# Altium PCB PCB-SM01.PcbDoc (part 3 of 4)
Units mm, origin at the board's own origin, x right, y up, seen from the top; angles counter-clockwise.
Board outline 208.23 x 194.9 mm, 2 copper layers (Top Layer, Bottom Layer); 394 components, 287 nets, 1171 pads, 418 vias.
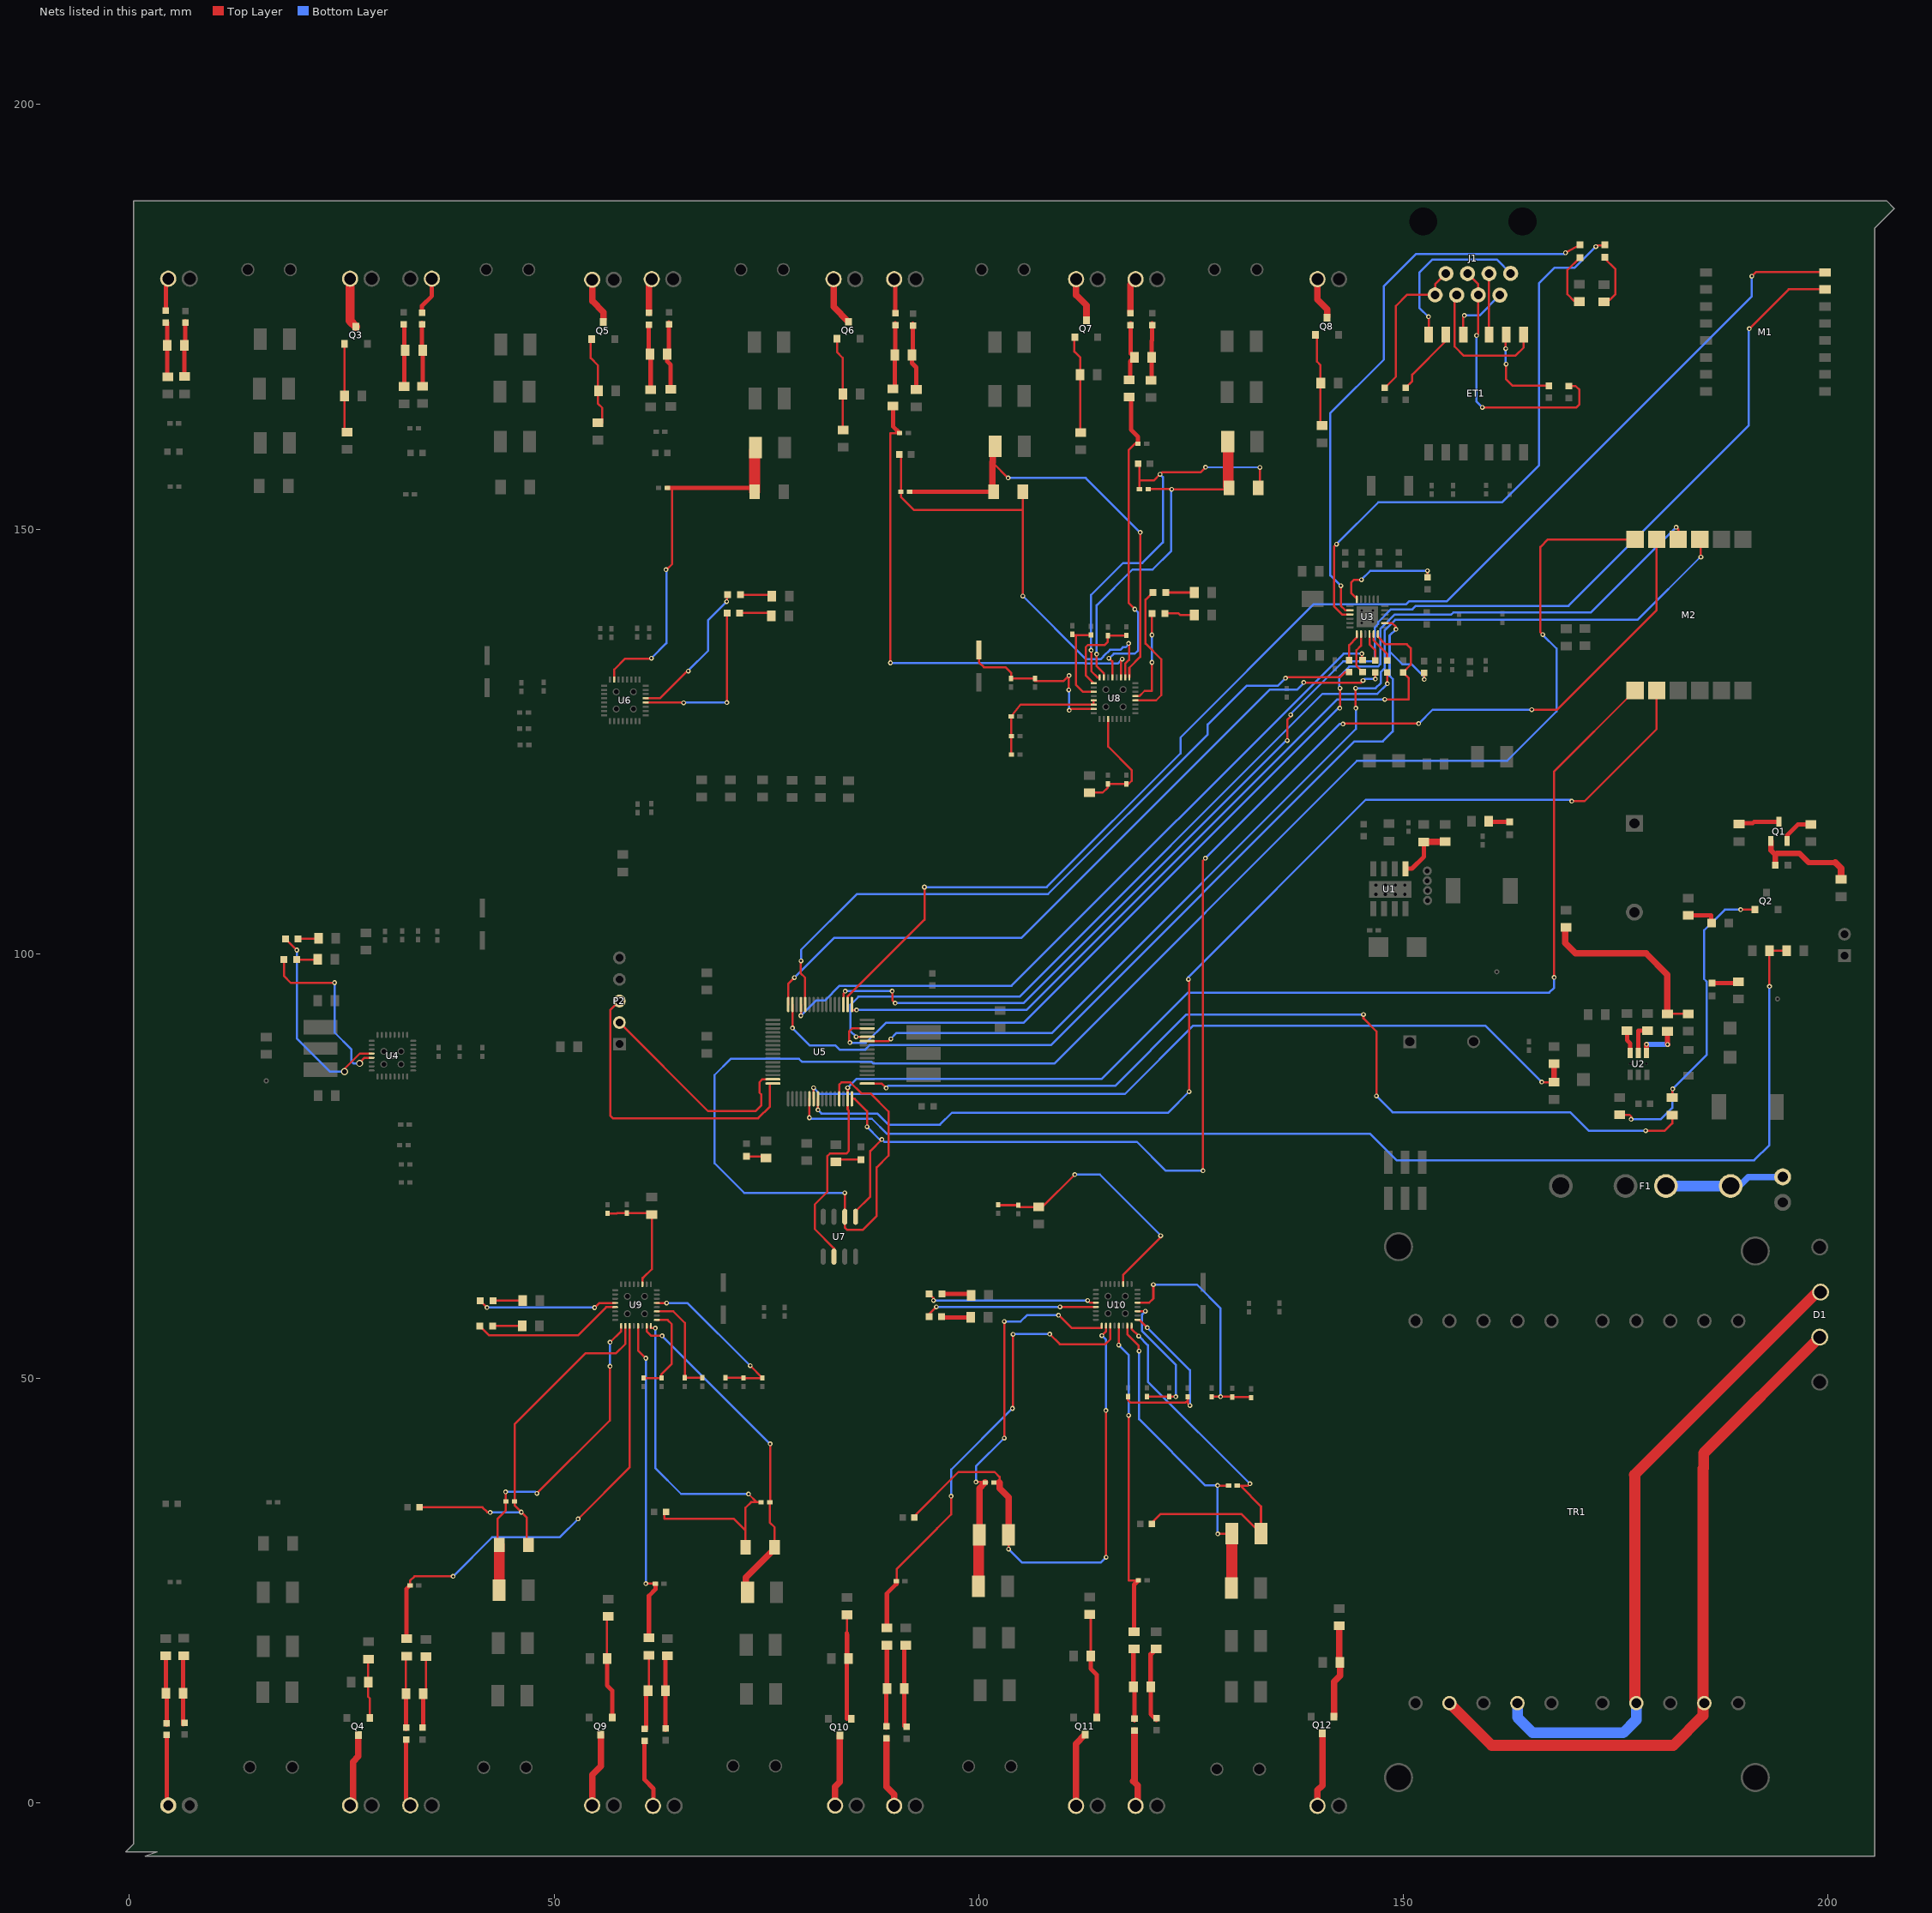
[diagram p3: the nets of this part, all layers, seen from the top]

## Via types
v1: diameter 0.559, hole 0.305, Top Layer to Bottom Layer, 383 vias
v2: diameter 1.118, hole 0.559, Top Layer to Bottom Layer, 31 vias
v3: diameter 0.813, hole 0.559, Top Layer to Bottom Layer, 3 vias
v4: diameter 0.965, hole 0.559, Top Layer to Bottom Layer, 1 vias

## Nets (pads, with @x,y where several pads share a name; then routed paths per layer and width w, separated by ;. In a path a pad name is that pad's centre, name@x,y a point inside that pad or via, vN(x,y) a via of type N, cw(c..) or ccw(c..) an arc to the next point about the centre after c; other vN are vias at no path point) (continued)
NetC75_2: C75.2 R80.1 R84.1 U6.15 | length 42.5
  Top Layer w0.254: U6.15@57.071,132.272 57.071,133.467 58.353,134.749 61.401,134.749 v1(61.438,134.786) ; v1@63.216,145.207 63.881,145.872 63.881,154.852
  Top Layer w0.508: C75.2@63.317,154.852 63.881,154.852 73.147,154.852 R84.1@73.604,154.395
  Top Layer w1.27: R84.1@73.604,154.42 R80.1@73.604,159.272
  Bottom Layer w0.254: v1(61.438,134.786) 63.216,136.564 63.216,145.166 v1(63.17,145.212)
NetC76_1: C76.1 C77.2 C80.1 U8.23 | length 20.8
  Top Layer w0.254: C77.2@100.02,135.767 100.02,134.315 100.605,133.731 103.149,133.731 103.805,133.075 C76.1@103.805,132.424 C80.1@106.599,132.424 106.599,132.119 109.985,132.119 v1@110.587,132.721 ; v1(110.587,131.052) v1@110.587,132.721 ; v1(110.617,132.751) v1@110.587,132.721 ; v1(110.638,128.665) 110.81,128.837 U8.23@113.522,128.837
  Bottom Layer w0.254: v1(110.587,131.052) 110.638,131.002 v1(110.638,128.665)
NetC76_2: C79.1 C82.1 C85.1 U8.21 U8.22 | length 16.8
  Top Layer w0.254: C82.1@103.83,123.432 103.83,124.236 ; C85.1@103.83,125.642 103.83,124.236 ; U8.21@113.522,129.837 U8.22@113.522,129.337 104.902,129.337 C79.1@103.805,127.928 103.805,124.262 103.83,124.236
NetC78_1: C78.1 C81.1 C83.1 U8.27 | length 14.2
  Top Layer w0.254: C83.1@113.025,118.962 114.563,118.962 115.184,119.583 C81.1@115.184,120.003 C78.1@117.369,120.003 117.641,120.003 117.983,120.345 117.983,121.629 115.222,124.391 U8.27@115.222,127.637
NetC84_2: C84.2 R85.1 U8.11 | length 61.4
  Top Layer w0.254: v1(89.581,134.253) 89.581,161.304 C84.2@90.673,161.304 ; U8.11@116.722,132.537 116.722,134.444 v1@116.911,134.634
  Top Layer w0.508: R85.1@89.886,164.479 89.886,162.091 C84.2@90.673,161.304
  Bottom Layer w0.254: v1(89.581,134.253) 112.38,134.253 112.467,134.166 116.353,134.166 v1(116.879,134.691)
NetC86_1: C86.1 L18.2 R93.2 U8.10 | length 52.9
  Top Layer w0.254: L18.2@90.826,158.789 90.826,156.82 90.851,156.794 90.851,154.852 90.856,154.852 90.856,153.746 92.366,152.236 105.177,152.236 ; v1(105.177,142.118) 105.177,152.236 ; R93.2@105.177,154.395 105.177,152.236 ; U8.10@117.222,132.537 117.222,134.157 117.673,134.608 117.673,136.488 v1(117.623,136.539)
  Bottom Layer w0.254: v1(105.177,142.118) 112.634,134.66 114.347,134.66 114.691,135.004 114.691,135.043 115.435,135.788 116.668,135.788 116.962,136.082 117.292,136.082 117.623,136.412 v1(117.623,136.539)
NetC86_2: C86.2 R92.1 R93.1 U8.9 | length 53.8
  Top Layer w0.254: R93.1@101.595,154.556 R93.1@101.747,154.403 R93.1@101.748,154.395 ; 101.595,157.886 101.646,157.836 v1(103.454,156.027) ; U8.9@117.722,132.537 117.722,133.673 118.999,134.95 v1(118.999,149.606)
  Top Layer w0.508: C86.2@91.867,154.395 R93.1@101.748,154.395
  Top Layer w0.762: R93.1@101.595,154.556 101.595,157.886 ; 101.646,157.836 R92.1@101.646,159.78
  Bottom Layer w0.254: v1(103.454,156.027) 112.578,156.027 v1(118.999,149.606)
NetC87_2: C87.2 R95.1 U8.13 | length 37.6
  Top Layer w0.254: v1(115.311,134.786) 115.353,134.786 115.722,134.418 U8.13@115.722,132.537 ; v1(118.364,140.564) 117.653,141.275 117.653,159.323 118.389,160.059 C87.2@118.74,160.059
  Top Layer w0.508: R95.1@117.907,165.557 117.907,161.705 118.74,160.872 C87.2@118.74,160.059
  Bottom Layer w0.254: v1(115.311,134.786) 115.353,134.786 115.886,135.32 118.352,135.32 118.766,135.733 118.766,140.162 v1(118.364,140.564)
NetC88_1: C88.1 C90.1 U8.19 | length 10.5
  Top Layer w0.254: C88.1@111.019,137.606 111.095,137.529 111.425,137.529 ; C90.1@113.203,137.529 111.425,137.529 ; U8.19@113.522,130.837 112.274,130.837 111.425,131.686 111.425,137.529
NetC89_1: C89.1 C91.1 U8.17 | length 10.4
  Top Layer w0.254: U8.17@113.522,131.837 112.585,132.774 112.585,136.093 112.85,136.358 114.833,136.358 115.184,136.709 C89.1@115.184,137.453 117.343,137.453 C91.1@117.369,137.479
NetC92_1: C92.1 L21.2 R103.2 U8.16 | length 49.7
  Top Layer w0.254: v1(113.206,135.738) 113.248,135.695 113.248,133.268 113.979,132.537 U8.16@114.222,132.537 ; C92.1@118.918,154.7 118.918,155.716 ; L21.2@118.943,157.697 118.918,157.672 118.918,155.716 ; v1(126.69,157.291) 126.081,156.681 121.56,156.681 v1(121.331,156.452) 120.594,155.716 118.918,155.716 ; R103.2@133.091,154.801 v1(133.091,157.256)
  Bottom Layer w0.254: v1(113.206,135.738) 113.206,142.232 116.988,146.014 119.248,146.014 121.661,148.427 121.661,156.122 v1(121.331,156.452) ; v1(126.69,157.291) 126.767,157.291 126.783,157.307 v1(133.091,157.256)
NetC92_2: C92.2 R101.1 R103.1 U8.15 | length 42
  Top Layer w0.254: v1(113.868,135.28) 113.868,133.867 114.722,133.014 U8.15@114.722,132.537 ; C92.2@119.934,154.7 v1@122.677,154.7 ; v1(122.703,154.674) 128.951,154.674 R103.1@129.357,155.081
  Top Layer w1.27: R103.1@129.357,155.081 R101.1@129.357,159.932
  Bottom Layer w0.254: v1(113.868,135.28) 113.868,141.021 118.102,145.254 120.471,145.254 122.648,147.432 122.648,154.62 v1(122.703,154.674)
NetC93_1: C93.1 C98.1 C101.1 U9.27 | length 14
  Top Layer w0.254: C98.1@56.282,69.432 57.379,69.432 57.404,69.457 C93.1@58.542,69.457 61.336,69.457 C101.1@61.489,69.305 61.489,62.853 60.498,61.863 60.384,61.863 U9.27@60.384,61.087
NetC94_1: C94.1 C100.2 C102.1 U9.21 | length 20.4
  Top Layer w0.254: U9.21@62.084,58.887 63.236,58.887 v1(63.246,58.877) ; C102.1@70.175,50.077 72.284,50.077 C100.2@72.309,50.052 C94.1@74.519,50.052 v1(73.076,51.495)
  Bottom Layer w0.254: v1(63.246,58.877) 65.693,58.877 v1(73.076,51.495)
NetC96_2: C96.2 R105.1 U9.11 | length 55.1
  Top Layer w0.254: C96.2@33.041,25.642 33.02,25.642 33.02,26.162 33.553,26.695 v1(38.1,26.695) ; v1(52.827,33.466) 58.874,39.512 58.884,39.512 U9.11@58.884,56.187
  Top Layer w0.508: R105.1@32.634,19.343 32.634,25.236 C96.2@33.041,25.642
  Bottom Layer w0.254: v1(38.1,26.695) 42.686,31.281 50.643,31.281 v1(52.827,33.466)
NetC103_1: C103.1 L24.2 R111.2 U9.10 | length 46.4
  Top Layer w0.254: L24.2@33.936,34.837 33.936,34.823 41.563,34.823 42.134,34.253 42.464,34.253 v1(42.464,34.228) ; R111.2@46.782,30.392 46.782,33.593 v1(46.122,34.253) 45.334,35.04 C103.1@45.334,35.498 45.334,44.598 53.67,52.934 57.267,52.934 58.384,54.051 U9.10@58.384,56.187
  Bottom Layer w0.254: v1(42.464,34.228) 46.096,34.228 v1(46.122,34.253)
NetC103_2: C103.2 R110.1 R111.1 U9.9 | length 39.6
  Top Layer w0.254: R111.1@43.353,30.392 43.353,33.491 44.318,34.456 C103.2@44.318,35.498 44.293,35.523 v1(44.293,36.641) ; v1(47.976,36.463) 56.566,45.053 v1(56.566,51.435) ; v1(56.566,54.257) 57.884,55.575 U9.9@57.884,56.187
  Top Layer w1.27: R110.1@43.531,25.084 43.531,30.367 R111.1@43.556,30.392
  Bottom Layer w0.254: v1(44.293,36.641) 47.798,36.641 v1(47.976,36.463) ; v1(56.566,51.435) v1(56.566,54.257)
NetC104_2: C104.2 R113.1 U9.13 | length 38.6
  Top Layer w0.254: U9.13@59.884,56.187 59.884,53.273 v1(60.782,52.375) ; v1(60.782,25.846) C104.2@61.92,25.846
  Top Layer w0.508: R113.1@61.158,19.445 61.158,24.398 61.92,25.16 C104.2@61.92,25.846
  Bottom Layer w0.254: v1(60.782,25.846) v1(60.782,52.375)
NetC105_1: C105.1 L27.2 R120.2 U9.16 | length 48.6
  Top Layer w0.254: U9.16@61.384,56.187 61.384,55.931 v1(61.9,55.931) ; L27.2@62.962,34.278 62.962,33.482 62.967,33.477 71.145,33.477 72.538,32.085 ; R120.2@72.538,30.113 72.538,32.085 ; v1(72.873,36.398) 73.849,35.421 ; C105.1@74.366,35.421 73.849,35.421 ; 72.538,32.085 72.538,34.782 73.177,35.421 73.849,35.421
  Bottom Layer w0.254: v1(61.9,55.931) 61.9,39.446 64.948,36.398 v1(72.873,36.398)
NetC105_2: C105.2 R119.1 R120.1 U9.15 | length 39.9
  Top Layer w0.254: U9.15@60.884,56.187 60.884,55.575 61.443,55.016 v1(62.713,55.016) ; R119.1@72.436,24.804 72.436,25.363 R119.1@72.588,25.516 ; v1(75.438,42.291) 75.438,35.421 C105.2@75.382,35.421 75.382,33.045 75.967,32.461 R120.1@75.967,30.113 R120.1@75.967,29.935
  Top Layer w0.762: R119.1@72.588,25.516 72.588,26.557 R120.1@75.967,29.935
  Bottom Layer w0.254: v1(62.713,55.016) v1(75.438,42.291)
NetC106_1: C106.1 C107.1 U9.19 | length 12.4
  Top Layer w0.254: U9.19@62.084,57.887 64.033,57.887 65.395,56.525 C107.1@65.395,50.066 65.407,50.077 C106.1@67.458,50.077
NetC109_1: C108.1 C109.1 U9.17 | length 10.9
  Top Layer w0.254: C109.1@60.549,50.052 C108.1@62.632,50.052 62.632,50.495 63.856,51.719 63.856,56.389 63.358,56.887 U9.17@62.084,56.887
NetC110_1: 
NetC113_1: C113.1 C115.1 C117.1 U10.27 | length 31.4
  Top Layer w0.254: C113.1@102.256,70.448 102.306,70.397 C115.1@104.669,70.397 104.872,70.194 C117.1@107.056,70.194 107.488,70.194 v1(111.298,74.004) ; U10.27@116.976,61.112 116.976,62.179 121.407,66.611 v1(121.407,66.79)
  Bottom Layer w0.254: v1(111.298,74.004) 114.244,74.004 121.458,66.79 v1(121.407,66.79)
NetC114_1: C114.1 C116.1 C118.1 U10.21 | length 27.8
  Top Layer w0.254: U10.21@118.676,58.912 120.057,58.912 120.548,59.404 v1(120.548,61.036) ; C118.1@127.427,47.842 v1(128.468,47.842) 129.815,47.842 C116.1@129.84,47.817 C114.1@131.999,47.817 ; C114.1@132.075,47.727 C114.1@132.075,47.74
  Bottom Layer w0.254: v1(120.548,61.036) 125.679,61.036 128.468,58.247 v1(128.468,47.842)
NetC119_2: C119.2 R126.1 U10.11 | length 54.5
  Top Layer w0.254: C119.2@90.356,26.061 90.356,27.575 95.104,32.323 95.104,32.359 96.744,33.999 v1(96.744,36.133) ; v1(103.957,46.47) 104.034,46.47 v1(104.034,55.183) ; v1(108.355,55.207) 109.536,54.026 114.884,54.026 115.476,54.617 U10.11@115.476,56.212
  Top Layer w0.508: R126.1@89.175,20.613 89.175,24.677 90.292,25.795 C119.2@90.292,26.061
  Bottom Layer w0.254: v1(96.744,36.133) 96.744,39.257 v1(103.957,46.47) ; v1(104.034,55.183) 104.058,55.207 v1(108.355,55.207)
NetC120_1: C120.1 L30.2 R134.2 U10.10 | length 61.7
  Top Layer w0.254: L30.2@92.229,33.618 97.588,38.977 101.849,38.977 102.433,38.393 102.433,37.733 ; v1(103.495,29.896) R134.2@103.495,31.574 ; v1(114.478,55.042) 114.976,55.54 U10.10@114.976,56.212 ; v1(114.956,46.242) 114.986,46.212 v1(114.986,28.944)
  Top Layer w0.762: 102.42,37.747 102.433,37.733 102.433,37.047 103.495,35.985 R134.2@103.495,31.574
  Bottom Layer w0.254: v1(103.495,29.896) 105.056,28.335 114.376,28.335 v1(114.986,28.944) ; v1(114.478,55.042) 114.986,54.534 114.986,46.242 v1(114.956,46.242)
NetC120_2: C120.2 R132.1 R134.1 U10.9 | length 46.7
  Top Layer w0.254: v1(99.665,37.809) 100.69,37.809 C120.2@100.752,37.747 ; v1(102.992,42.965) v1(102.992,56.707) ; v1(109.368,57.443) 109.401,57.477 110.947,55.931 114.476,55.931 U10.9@114.476,56.212
  Top Layer w0.762: R134.1@100.066,31.574 100.066,37.061 C120.2@100.752,37.747
  Top Layer w1.27: R132.1@99.965,25.504 99.965,31.473 R134.1@100.066,31.574
  Bottom Layer w0.254: v1(99.665,37.809) 99.665,39.638 v1(102.992,42.965) ; v1(102.992,56.707) 104.923,56.707 104.925,56.704 105.664,57.443 v1(109.368,57.443)
NetC121_2: C121.2 R136.1 U10.13 | length 37.9
  Top Layer w0.254: v1(116.476,53.924) U10.13@116.476,56.212 ; v1(117.627,45.644) 117.627,26.227 C121.2@118.791,26.227
  Top Layer w0.508: R136.1@118.278,20.17 118.278,25.714 C121.2@118.791,26.227
  Bottom Layer w0.254: v1(116.476,53.924) 117.627,52.772 v1(117.627,45.644)
NetC122_1: C122.1 C124.1 U10.19 | length 16.2
  Top Layer w0.254: U10.19@118.676,57.912 v1(119.604,57.912) ; C124.1@119.807,47.867 119.807,47.854 C122.1@122.423,47.854 ; C122.1@122.423,47.867 C122.1@122.423,47.854 ; v1(123.19,47.854) C122.1@122.423,47.854
  Bottom Layer w0.254: v1(119.604,57.912) 119.217,57.525 119.217,55.575 123.19,51.602 v1(123.19,47.854)
NetC123_1: C123.1 C125.1 U10.17 | length 21.7
  Top Layer w0.254: C125.1@117.546,47.867 117.546,47.447 117.865,47.129 124.289,47.129 124.608,47.447 ; U10.17@118.676,56.912 118.901,56.912 v1(119.837,55.976) ; C123.1@124.608,47.842 124.608,47.447 ; v1(124.841,46.812) 124.608,47.046 124.608,47.447
  Bottom Layer w0.254: v1(119.837,55.976) 124.841,50.972 v1(124.841,46.812)
NetC126_1: C126.1 L33.2 R144.2 U10.16 | length 47.2
  Top Layer w0.254: U10.16@117.976,56.212 117.976,55.829 v1(118.821,54.984) ; L33.2@120.194,32.856 121.388,34.05 130.881,34.05 R144.2@133.218,31.713 133.218,34.925 130.778,37.366 ; C126.1@130.419,37.366 130.778,37.366 ; v1(131.928,37.592) 131.701,37.366 130.778,37.366
  Bottom Layer w0.254: v1(118.821,54.984) 119.909,53.896 119.909,49.611 v1(131.928,37.592)
NetC126_2: C126.2 R141.1 R144.1 U10.15 | length 37.9
  Top Layer w0.254: U10.15@117.476,56.212 117.476,55.201 118.821,53.855 118.821,53.273 v1(118.867,53.227) ; v1(128.113,37.403) 128.15,37.366 C126.2@129.403,37.366 C126.2@129.515,37.366 ; v1@128.164,31.713 R144.1@129.789,31.713 ; R141.1@129.734,25.326 R141.1@129.789,25.382
  Top Layer w1.27: R141.1@129.789,25.382 129.789,30.383
  Bottom Layer w0.254: v1(118.867,53.227) 118.867,45.2 126.665,37.403 v1(128.113,37.403) v1@128.113,31.713
  other v1: 128.138,31.688
NetD1_2: D1.3 TR1.12 TR1.19 | length 83.6
  Top Layer w0.762: 185.267,39.38 185.339,39.452
  Top Layer w1.27: TR1.12@155.411,11.76 160.376,6.796 181.758,6.796 185.267,10.305 185.267,39.38 ; 185.339,39.452 185.339,41.194 D1.3@199.006,54.861
NetD1_4: D1.2 TR1.14 TR1.17 | length 76.6
  Top Layer w1.27: TR1.17@177.236,11.935 177.236,38.596 177.186,38.647 198.699,60.161 D1.2@199.106,60.161
  Bottom Layer w1.27: TR1.14@163.411,11.76 163.411,10.08 165.222,8.269 175.865,8.269 177.411,9.815 TR1.17@177.411,11.76
NetD3_2: D3.2 Q1.1 R9.2 | length 12.9
  Top Layer w0.635: Q1.1@193.254,113.29 193.254,112.165 193.772,111.647 ; D3.2@193.772,110.428 193.772,111.647 ; 200.858,110.732 197.712,110.732 196.619,111.825 193.95,111.825 193.772,111.647
  Top Layer w0.762: 200.858,110.732 201.519,110.072 R9.2@201.519,108.751
NetD4_1: D4.1 R2.2 | length 2.5
  Top Layer w0.254: R2.2@160.015,115.609 R2.2@160.117,115.508
  Top Layer w0.508: R2.2@160.117,115.508 D4.1@162.504,115.508
NetD7_K: D7.K R11.1 | length 3.6
  Top Layer w0.508: R11.1@183.536,104.509 186.203,104.509 186.203,103.703 D7.K@186.285,103.62
NetD8_1: D8.1 R20.2 | length 3.2
  Top Layer w0.254: R20.2@189.251,96.534 R20.2@189.428,96.712
  Top Layer w0.508: D8.1@186.304,96.534 R20.2@189.251,96.534
NetD9_1: D9.1 R38.1 | length 6.3
  Top Layer w0.254: R38.1@173.604,177.001 174.295,177.001 174.925,177.631 174.925,180.633 D9.1@173.68,181.878
NetD9_2: D9.2 U3.3 | length 68.5
  Top Layer w0.254: v1(142.108,148.223) 141.803,147.918 141.803,140.908 142.773,139.938 U3.3@143.74,139.938 ; v1(172.644,183.261) 172.761,183.378 D9.2@173.68,183.378
  Bottom Layer w0.254: v1(142.108,148.223) 147.022,153.137 161.569,153.137 165.964,157.531 165.964,178.968 167.78,180.784 170.167,180.784 v1(172.644,183.261)
NetD10_1: D10.1 R39.1 | length 6.7
  Top Layer w0.254: R39.1@170.759,176.874 170.065,176.874 169.286,177.652 169.286,180.505 D10.1@170.759,181.978
NetD10_2: D10.2 U3.2 | length 67
  Top Layer w0.254: v1(142.616,143.321) 142.616,140.984 143.162,140.438 U3.2@143.74,140.438 ; v1(169.076,182.538) D10.2@170.759,183.478
  Bottom Layer w0.254: v1(142.616,143.321) 141.391,144.546 141.391,163.667 147.696,169.972 147.696,178.608 151.46,182.372 168.91,182.372 v1(169.076,182.538)
NetD11_1: D11.1 R42.1 | length 2.6
  Top Layer w0.254: D11.1@19.682,99.302 22.22,99.302 R42.1@22.271,99.252
NetD11_2: D11.2 U4.5 | length 21.1
  Top Layer w0.254: D11.2@18.182,99.302 18.182,97.388 18.999,96.571 24.13,96.571 v1(24.155,96.596) ; v3(27.097,87.085) 27.097,87.165 27.681,87.749 U4.5@28.508,87.749
  Bottom Layer w0.254: v1(24.155,96.596) 24.155,90.714 26.106,88.762 26.106,87.339 26.36,87.085 v3(27.097,87.085)
NetD12_1: D12.1 R43.1 | length 2.4
  Top Layer w0.254: D12.1@19.859,101.766 22.169,101.766 R43.1@22.22,101.715
NetD12_2: D12.2 U4.4 | length 23.8
  Top Layer w0.254: D12.2@18.359,101.766 v1(19.692,100.434) ; v3(25.319,86.12) 25.319,86.431 27.137,88.249 U4.4@28.508,88.249
  Bottom Layer w0.254: v1(19.692,100.434) 19.692,90.036 23.613,86.115 v3@25.319,86.115
NetD13_1: D13.1 R81.1 | length 3.8
  Top Layer w0.254: D13.1@71.853,140.12 75.205,140.12 R81.1@75.509,139.815
NetD13_2: D13.2 U6.4 | length 20.1
  Top Layer w0.254: U6.4@60.771,129.572 65.23,129.572 v1(65.248,129.554) ; v1(70.328,129.579) 70.353,129.605 D13.2@70.353,140.12
  Bottom Layer w0.254: v1(65.248,129.554) 65.273,129.579 v1(70.328,129.579)
NetD14_1: D14.1 R82.1 | length 3.8
  Top Layer w0.254: D14.1@71.929,142.279 75.459,142.279 R82.1@75.636,142.101
NetD14_2: D14.2 U6.5 | length 17.2
  Top Layer w0.254: U6.5@60.771,130.072 62.457,130.072 65.673,133.288 v1(65.781,133.288) ; v1(70.302,141.453) D14.2@70.429,142.279
  Bottom Layer w0.254: v1@65.781,133.325 68.146,135.689 68.146,139.296 v1(70.302,141.453)
NetD15_1: D15.1 R77.1 | length 3.1
  Top Layer w0.254: R77.1@83.155,75.503 83.409,75.757 D15.1@86.101,75.757
NetD16_1: D16.1 R76.1 | length 2.4
  Top Layer w0.254: D16.1@72.639,76.138 74.747,76.138 R76.1@74.951,75.934
NetD17_1: D17.1 R102.1 | length 3.4
  Top Layer w0.254: D17.1@121.993,142.533 R102.1@125.37,142.533
NetD17_2: D17.2 U8.4 | length 16.5
  Top Layer w0.254: U8.4@118.422,129.837 120.878,129.837 121.483,130.443 121.483,134.659 119.634,136.509 119.634,141.674 D17.2@120.493,142.533
NetD18_1: D18.1 R104.1 | length 3.6
  Top Layer w0.254: D18.1@121.891,140.069 123.52,140.069 123.698,139.892 R104.1@125.37,139.892
NetD18_2: D18.2 U8.5 | length 11.3
  Top Layer w0.254: U8.5@118.422,130.337 118.897,130.337 119.511,130.951 120.391,130.951 v1(120.391,134.304) ; v1(120.391,137.536) D18.2@120.391,140.069
  Bottom Layer w0.254: v1(120.391,134.304) v1(120.391,137.536)
NetD19_1: D19.1 R122.1 | length 3.5
  Top Layer w0.254: D19.1@42.796,59.145 R122.1@46.274,59.145
NetD19_2: D19.2 U9.4 | length 16.5
  Top Layer w0.254: D19.2@41.296,59.145 v1(42.097,58.344) ; v1(54.758,58.332) 55.312,58.887 U9.4@57.184,58.887
  Bottom Layer w0.254: v1(42.097,58.344) 54.758,58.344 v1(54.758,58.332)
NetD20_1: D20.1 R124.1 | length 3.5
  Top Layer w0.254: D20.1@42.745,56.173 R124.1@46.223,56.173
NetD20_2: D20.2 U9.5 | length 17.8
  Top Layer w0.254: D20.2@41.245,56.173 42.325,55.093 52.84,55.093 56.134,58.387 U9.5@57.184,58.387
NetD21_1: D21.1 R143.1 | length 5.2
  Top Layer w0.254: 97.307,57.215 R143.1@99.055,57.215
  Top Layer w0.508: D21.1@95.628,57.291 95.729,57.189 R143.1@99.055,57.189
NetD21_2: D21.2 U10.5 | length 20.2
  Top Layer w0.254: D21.2@94.001,57.418 v1(94.995,58.412) ; v1(109.55,58.412) U10.5@113.776,58.412
  Bottom Layer w0.254: v1(94.995,58.412) v1(109.55,58.412)
NetD22_1: D22.1 R142.1 | length 3.3
  Top Layer w0.508: D22.1@95.653,59.958 R142.1@98.928,59.958
NetD22_2: D22.2 U10.4 | length 20.2
  Top Layer w0.254: D22.2@94.153,59.958 94.666,59.445 v1(94.666,59.182) ; v1(112.811,59.182) 113.081,58.912 U10.4@113.776,58.912
  Bottom Layer w0.254: v1(94.666,59.182) v1(112.811,59.182)
NetET1_7: ET1.7 J1.6 | length 16.7
  Top Layer w0.254: J1.6@156.261,177.546 156.007,177.292 156.007,171.501 157.099,170.409 163.17,170.409 164.135,171.374 ET1.7@164.135,172.898
NetET1_8: ET1.8 R33.2 | length 10.7
  Top Layer w0.254: v1(162.027,171.247) 162.027,172.822 ET1.8@162.103,172.898 ; v1(162.077,169.418) 162.077,167.64 162.851,166.866 R33.2@167.102,166.866
  Bottom Layer w0.254: v1(162.027,171.247) 162.027,169.469 v1(162.077,169.418)
NetET1_9: ET1.9 J1.3 | length 7.2
  Top Layer w0.254: ET1.9@160.071,172.898 J1.3@160.071,180.086
NetET1_10: ET1.10 J1.2 | length 7.5
  Top Layer w0.254: ET1.10@157.023,172.898 157.023,175.031 v1(157.15,175.158)
  Bottom Layer w0.254: v1(157.15,175.158) 158.953,175.158 J1.2@161.341,177.546
NetET1_11: ET1.11 R28.2 | length 8.2
  Top Layer w0.254: R28.2@150.236,166.638 151.035,167.437 151.035,168.18 154.991,172.136 ET1.11@154.991,172.898
NetET1_12: ET1.12 J1.1 | length 19.8
  Top Layer w0.254: v1(152.933,175.006) 152.959,174.981 ET1.12@152.959,172.898
  Bottom Layer w0.254: v1(152.933,175.006) 151.867,176.073 151.867,180.188 153.416,181.737 160.985,181.737 J1.1@162.611,180.111
NetF1_1: 
NetF1_2: F1.2 S1.1 | length 14.2
  Bottom Layer w0.762: F1.2@188.514,72.658 189.505,72.658 190.571,73.725 S1.1@194.635,73.725
  Bottom Layer w1.27: F1.2@180.894,72.658 F1.2@188.514,72.658
NetJ1_1: 
NetJ1_2: 
NetJ1_3: 
NetJ1_4: J1.4 J1.5 R27.1 | length 31.4
  Top Layer w0.254: J1.5@157.531,180.086 158.801,178.816 J1.4@158.801,177.571 158.801,172.999 v1(158.598,172.796) ; v1(159.283,164.338) 170.358,164.338 170.713,164.694 170.713,166.395 170.268,166.841 R27.1@169.464,166.841
  Bottom Layer w0.254: v1(158.598,172.796) 158.572,172.796 158.572,165.049 v1(159.283,164.338)
NetJ1_6: 
NetJ1_7: J1.7 J1.8 R34.1 | length 18.4
  Top Layer w0.254: R34.1@147.798,166.638 149.093,167.933 149.093,176.271 150.393,177.571 J1.8@153.721,177.571 153.721,178.816 J1.7@154.991,180.086
NetL4_1: L4.1 P1.1 | length 3.9
  Top Layer w0.254: L4.1@4.288,175.706 L4.1@4.313,175.731
  Top Layer w0.508: L4.1@4.313,175.731 4.313,179.23 P1.1@4.564,179.48
NetL4_2: L4.2 R40.2 R41.2 | length 6.7
  Top Layer w0.254: L4.2@4.288,174.506 L4.2@4.44,174.353 ; R40.2@4.44,168.009 R40.2@4.516,167.933
  Top Layer w0.508: R40.2@4.44,168.009 R41.2@4.44,171.616 L4.2@4.44,174.353
NetL5_2: L5.2 R41.1 R44.2 | length 6.6
  Top Layer w0.254: R44.2@6.472,167.959 R44.2@6.498,167.959 ; R41.1@6.472,171.616 R41.1@6.574,171.718
  Top Layer w0.508: R44.2@6.472,167.959 R41.1@6.472,171.616 ; R41.1@6.574,171.718 L5.2@6.574,174.486
NetL7_1: L7.1 P3.1 | length 8.4
  Top Layer w0.508: L7.1@4.389,8.015 4.389,-0.101 P3.1@4.564,-0.276
NetL7_2: L7.2 R50.2 R51.2 | length 8.1
  Top Layer w0.508: R51.2@4.288,12.942 R50.2@4.288,17.337 ; L7.2@4.389,9.215 R51.2@4.389,12.942
NetL8_2: L8.2 R51.1 R53.2 | length 8.3
  Top Layer w0.254: 6.316,11.168 6.32,11.171 ; L8.2@6.32,9.259 L8.2@6.472,9.259
  Top Layer w0.508: L8.2@6.32,9.259 6.32,11.171 R51.1@6.32,12.942 6.32,17.311 R53.2@6.371,17.362
NetL10_1: L10.1 P6.1 | length 4.5
  Top Layer w0.508: L10.1@34.438,175.483 34.438,176.279 35.603,177.444 P6.1@35.603,179.48
NetL10_2: L10.2 R61.2 R62.2 | length 7.5
  Top Layer w0.254: R62.2@34.438,171.134 R62.2@34.514,171.057
  Top Layer w0.508: R62.2@34.438,171.134 L10.2@34.438,174.283 ; R61.2@34.514,166.816 R62.2@34.514,171.057
NetL11_2: L11.2 R62.1 R64.2 | length 7.2
  Top Layer w0.508: R64.2@32.355,166.79 R62.1@32.355,170.93 ; R62.1@32.355,171.032 L11.2@32.355,174.099
NetL13_1: L13.1 P8.1 | length 4.2
  Top Layer w0.254: L13.1@61.057,175.426 L13.1@61.133,175.502
  Top Layer w0.762: L13.1@61.158,175.477 61.158,179.099 P8.1@61.485,179.426
NetL13_2: L13.2 R72.2 R73.2 | length 7.9
  Top Layer w0.254: 61.285,168.529 61.362,168.453
  Top Layer w0.508: R73.2@61.133,170.575 L13.2@61.133,174.125 ; R73.2@61.285,170.6 61.362,170.524 61.362,168.453 R72.2@61.362,166.409
NetL14_2: L14.2 R73.1 R74.2 | length 8.1
  Top Layer w0.508: L14.2@63.521,174.328 63.521,170.803 R73.1@63.317,170.6 63.317,169.737 63.724,169.33 R74.2@63.724,166.46
NetL16_1: L16.1 P10.1 | length 4.1
  Top Layer w0.508: P10.1@90.035,179.426 90.165,179.295 L16.1@90.165,175.426
NetL16_2: L16.2 R85.2 R87.2 | length 7.8
  Top Layer w0.254: R85.2@89.886,166.511 R85.2@90.089,166.714 ; R87.2@90.089,170.499 R87.2@90.165,170.575
  Top Layer w0.508: R85.2@90.089,166.714 R87.2@90.089,170.499 ; R87.2@90.165,170.575 L16.2@90.165,174.226
NetL17_2: L17.2 R87.1 R88.2 | length 8
  Top Layer w0.254: R87.1@92.121,170.499 R87.1@92.248,170.626
  Top Layer w0.508: R87.1@92.121,170.499 92.121,169.533 92.629,169.025 R88.2@92.629,166.435 ; R87.1@92.248,170.626 L17.2@92.248,174.175
NetL19_1: L19.1 P12.1 | length 4.3
  Top Layer w0.762: L19.1@117.851,175.426 117.851,178.819 P12.1@118.457,179.426
NetL19_2: L19.2 R95.2 R96.2 | length 7.3
  Top Layer w0.254: R95.2@117.831,167.7 R95.2@118.08,167.451 ; R96.2@117.851,170.676 R96.2@118.308,170.219
  Top Layer w0.508: R95.2@117.831,167.7 117.831,169.741 R96.2@118.308,170.219 ; R96.2@117.851,170.676 L19.2@117.851,174.226
NetL20_2: L20.2 R96.1 R98.2 | length 6.9
  Top Layer w0.254: 120.34,168.136 120.518,167.959 R98.2@120.518,167.451 ; 120.34,172.161 120.417,172.237
  Top Layer w0.508: 120.34,168.136 R96.1@120.34,170.219 120.34,172.161 ; 120.417,172.237 L20.2@120.417,174.226
NetL22_1: L22.1 P14.1 | length 8
  Top Layer w0.508: L22.1@32.579,7.495 32.579,0.208 P14.1@33.063,-0.276
NetL22_2: L22.2 R105.2 R106.2 | length 8.7
  Top Layer w0.254: 32.558,10.79 32.579,10.77 ; R106.2@32.558,12.866 32.558,17.235 R105.2@32.634,17.311
  Top Layer w0.508: 32.558,10.79 R106.2@32.558,12.866 ; L22.2@32.579,8.695 L22.2@32.579,8.892 32.579,10.77
NetL23_2: L23.2 R106.1 R107.2 | length 8.7
  Top Layer w0.254: L23.2@34.484,8.695 L23.2@34.59,8.802 ; R106.1@34.59,12.866 34.895,13.171 R107.2@34.895,17.235
  Top Layer w0.508: L23.2@34.59,8.802 R106.1@34.59,12.866
NetL25_1: L25.1 P16.1 | length 8.1
  Top Layer w0.508: L25.1@60.646,7.317 60.646,2.745 61.688,1.703 61.688,-0.279 P16.1@61.638,-0.33
NetL25_2: L25.2 R113.2 R115.2 | length 9.1
  Top Layer w0.254: L25.2@60.646,8.517 L25.2@60.828,8.7 ; R115.2@60.828,12.993 R115.2@61.057,13.222 61.158,13.323 R113.2@61.158,17.413
  Top Layer w0.508: L25.2@60.828,8.7 R115.2@60.828,12.993
NetL26_2: L26.2 R115.1 R116.2 | length 8.8
  Top Layer w0.254: R116.2@63.114,17.108 R116.2@63.343,17.337
  Top Layer w0.508: L26.2@63.114,8.624 63.114,13.222 R116.2@63.114,17.108
NetL28_1: L28.1 P19.1 | length 8.4
  Top Layer w0.762: L28.1@89.119,7.648 89.119,1.932 90.035,1.016 P19.1@90.035,-0.33
NetL28_2: L28.2 R126.2 R128.2 | length 9.8
  Top Layer w0.254: R128.2@89.119,13.388 R128.2@89.195,13.464
  Top Layer w0.508: L28.2@89.119,8.848 L28.2@89.119,9.045 R128.2@89.119,13.388 ; R126.2@89.175,18.581 89.175,13.485 R128.2@89.195,13.464
NetL29_2: L29.2 R128.1 R129.2 | length 10
  Top Layer w0.254: L29.2@91.227,9.076 L29.2@91.507,8.797
  Top Layer w0.508: L29.2@91.227,9.076 R128.1@91.227,13.464 91.227,18.399 R129.2@91.41,18.581
NetL31_1: L31.1 P21.1 | length 9.4
  Top Layer w0.254: 118.075,2.491 118.176,2.593 118.329,2.745
  Top Layer w0.762: 118.176,2.593 118.711,2.057 118.711,-0.076 P21.1@118.457,-0.33 ; 118.329,2.745 L31.1@118.329,8.53
NetL31_2: L31.2 R136.2 R137.2 | length 8.5
  Top Layer w0.254: R137.2@118.202,13.667 R137.2@118.329,13.54
  Top Layer w0.508: R137.2@118.202,13.667 118.202,18.062 R136.2@118.278,18.138 ; L31.2@118.329,9.73 L31.2@118.329,9.927 R137.2@118.329,13.54
NetL32_2: L32.2 R137.1 R138.2 | length 8.9
  Top Layer w0.508: R137.1@120.234,13.667 120.234,10.467 L32.2@120.92,9.781
  Top Layer w0.559: R137.1@120.234,13.667 120.234,17.503 R138.2@120.869,18.138
NetM1_7: M1.21 U5.51 | length 163.5
  Top Layer w0.254: U5.51@84.055,94.018 84.055,95.275 84.171,95.391 84.171,95.543 84.222,95.594 v1(84.272,95.594) ; v1(89.784,95.594) 89.81,95.569 89.81,94.527 v1(90.14,94.197) ; v1(136.317,125.109) 136.317,127.522 136.825,128.03 v1(136.723,128.131) ; v1(190.703,173.584) 195.351,178.232 199.211,178.232 M1.21@199.268,178.288
  Bottom Layer w0.254: v1(84.272,95.594) 89.733,95.594 89.759,95.619 v1(89.784,95.594) ; v1(90.14,94.197) 90.14,94.183 105.264,94.183 136.19,125.109 v1(136.317,125.109) ; v1(136.723,128.131) 136.723,128.258 142.896,134.431 146.604,134.431 146.604,138.411 147.026,138.833 147.026,139.05 148.528,140.552 151.049,140.552 151.455,140.958 169.413,140.958 190.627,162.172 190.627,173.507 v1(190.703,173.584)
NetM1_8: M1.22 TP9.1 U5.50 | length 155.7
  Top Layer w0.254: U5.50@84.555,94.018 84.555,94.969 93.594,104.008 TP9.1@93.594,107.837 ; v1(191.008,179.781) 191.515,180.288 M1.22@199.268,180.288
  Bottom Layer w0.254: TP9.1@93.594,107.837 107.996,107.837 123.751,123.591 123.751,125.468 139.444,141.162 150.312,141.162 150.643,141.492 155.083,141.492 191.008,177.417 v1(191.008,179.781)
NetM2_3: M2.3 U5.43 | length 130.7
  Top Layer w0.254: U5.43@86.855,89.718 89.369,89.718 v1(89.632,89.981) ; v1(144.369,131.256) 144.369,128.944 144.343,128.919 v1(144.394,128.919) ; M2.3@184.882,148.255 M2.3@184.882,148.782 185.009,148.655 v1(185.009,146.699)
  Bottom Layer w0.254: v1@89.632,89.992 90.281,90.641 108.58,90.641 144.394,126.455 v1(144.394,128.919) ; v1(144.369,131.256) 146.706,131.256 147.341,131.891 147.341,133.186 147.798,133.643 147.798,138.102 149.004,139.307 177.541,139.307 184.932,146.699 v1(185.009,146.699)
NetM2_4: M2.4 U5.46 | length 132.4
  Top Layer w0.254: v1@84.912,89.523 84.755,89.681 84.755,90.883 85.09,91.218 U5.46@86.855,91.218 ; v1(142.489,128.919) 142.515,128.944 v1(142.515,131.256) ; v1(182.093,150.216) 182.342,149.966 M2.4@182.342,148.782
  Bottom Layer w0.254: v1(84.831,89.549) 84.806,89.523 86.704,89.523 89.052,91.872 105.264,91.872 142.286,128.893 142.489,128.893 v1(142.489,128.919) ; v1(142.515,131.256) 142.489,131.256 142.438,131.306 142.438,132.653 143.607,133.821 146.985,133.821 147.264,134.1 147.264,138.251 147.915,138.901 147.936,138.901 148.278,139.244 ; 148.268,139.254 148.925,139.911 155.599,139.911 155.859,140.171 172.048,140.171 v1(182.093,150.216)
NetM2_5: M2.5 U5.32 U7.5 | length 166.8
  Top Layer w0.254: U5.32@85.055,82.918 85.055,82.931 85.369,82.931 86.838,81.463 v1(86.838,79.617) ; U7.5@85.492,69.039 85.492,69.698 87.219,71.425 87.219,76.773 v1(88.59,78.144) ; v1(126.386,74.455) 126.386,110.961 v1(126.665,111.24) ; v1(142.87,127.039) 142.921,127.09 v1(151.786,127.09) ; v1(165.095,128.741) 168.086,128.741 179.802,140.457 M2.5@179.802,148.782
  Bottom Layer w0.254: v1(86.838,79.617) 88.311,78.144 v1(88.59,78.144) 88.895,77.839 118.613,77.839 121.998,74.455 v1(126.386,74.455) ; v1(126.665,111.24) 142.464,127.039 v1(142.87,127.039) ; v1(151.786,127.09) 153.437,128.741 v1(165.095,128.741)
NetM2_6: M2.6 U5.29 U7.6 | length 206.5
  Top Layer w0.254: U5.29@83.555,82.918 83.555,84.571 83.845,84.861 84.861,84.861 86.157,83.566 87.224,83.566 89.378,81.412 89.378,76.253 87.986,74.861 87.986,69.139 86.36,67.513 84.476,67.513 84.222,67.767 U7.6@84.222,69.039 84.222,71.852 v1(84.226,71.857) ; v1(166.395,137.566) 166.111,137.851 166.111,147.893 167,148.782 M2.6@177.262,148.782
  Bottom Layer w0.254: v1(84.226,71.857) 72.365,71.857 68.88,75.341 68.88,85.715 70.791,87.626 78.829,87.626 79.162,87.293 87.336,87.293 87.558,87.071 108.871,87.071 144.521,122.721 162.2,122.721 168.021,128.543 168.021,135.788 ; v1(166.395,137.566) 166.395,137.55 168.021,135.924
NetM2_7: M2.7 U5.31 U7.2 | length 150.7
  Top Layer w0.254: U7.2@82.952,64.339 82.952,65.317 80.691,67.578 80.691,70.48 82.151,71.94 82.151,76.149 82.463,76.461 84.386,76.461 84.704,76.779 84.704,81.512 84.555,81.661 U5.31@84.555,82.918 v1(84.557,84.226) v1(84.557,84.226) ; v1(167.742,97.22) 167.742,121.481 M2.7@177.262,131.002
  Bottom Layer w0.254: v1(84.557,84.226) 85.573,85.242 114.448,85.242 124.621,95.416 167.146,95.416 167.742,96.012 v1(167.742,97.22)
NetM2_8: M2.8 U5.24 | length 132.7
  Top Layer w0.254: v1(81.051,81.61) 81.055,81.614 U5.24@81.055,82.918 ; v1(124.76,83.758) v1@124.76,96.915 ; v1(169.794,117.971) 169.807,117.959 171.305,117.959 179.802,126.455 M2.8@179.802,131.002
  Bottom Layer w0.254: v1(81.051,81.61) 81.469,81.192 88.032,81.192 89.352,79.871 95.423,79.871 96.845,81.294 122.296,81.294 v1(124.76,83.758) ; v1(124.684,96.991) 124.684,97.27 145.537,118.124 169.642,118.124 v1(169.794,117.971)
NetP2_2: P2.2 U5.15 | length 25.9
  Top Layer w0.254: P2.2@57.683,91.897 68.123,81.458 73.697,81.458 74.397,82.157 74.397,83.414 74.163,83.647 74.163,84.857 74.525,85.218 U5.15@75.755,85.218
NetP2_3: P2.3 U5.16 | length 36.5
  Top Layer w0.254: P2.3@57.683,94.437 56.591,93.345 56.591,80.95 56.908,80.633 74.011,80.633 75.398,82.021 75.398,84.718 U5.16@75.755,84.718
NetP4_2: P4.2 Q3.C | length 5.8
  Top Layer w1.016: P4.2@25.976,179.353 25.976,174.515 Q3.C@26.665,173.826
NetP5_2: P5.2 Q4.C | length 8.7
  Top Layer w0.762: P5.2@25.976,-0.276 26.31,0.058 26.31,4.851 26.945,5.486 Q4.C@26.945,8.015
NetP7_2: P7.2 Q5.C | length 5.2
  Top Layer w0.762: P7.2@54.475,179.353 54.475,176.86 55.804,175.531 Q5.C@55.804,174.71
NetP9_2: P9.2 Q6.C | length 5.7
  Top Layer w0.762: P9.2@82.897,179.426 82.897,176.166 Q6.C@84.653,174.41
NetP11_2: P11.2 Q7.C | length 5.2
  Top Layer w0.762: P11.2@111.45,179.426 111.45,177.568 112.674,176.344 Q7.C@112.674,174.751
NetP13_2: P13.2 Q8.C | length 4.9
  Top Layer w0.762: P13.2@139.87,179.426 139.87,177.038 141.021,175.887 Q8.C@141.021,175.015
NetP15_2: P15.2 Q9.C | length 8.8
  Top Layer w0.762: P15.2@54.475,-0.276 54.475,3.327 55.486,4.338 Q9.C@55.486,8.061
NetP17_2: P17.2 Q10.C | length 8.5
  Top Layer w0.762: P17.2@83.075,-0.305 83.075,1.941 83.612,2.478 83.612,7.913 Q10.C@83.637,7.939
NetP18_2: P18.2 Q11.C | length 8.8
  Top Layer w0.762: P18.2@111.447,-0.33 111.447,6.991 Q11.C@112.516,8.061
NetP20_2: P20.2 Q12.C | length 8.8
  Top Layer w0.762: P20.2@139.87,-0.33 139.87,1.499 140.457,2.086 Q12.C@140.457,8.193
NetQ1_1: Q1.3 R10.2 | length 4.8
  Top Layer w0.508: R10.2@189.505,115.254 189.606,115.355 191.105,115.355 191.29,115.54 Q1.3@194.204,115.54
NetQ1_3: Q1.2 R4.1 | length 4
  Top Layer w0.508: Q1.2@195.154,113.29 195.154,113.943 196.439,115.228 R4.1@197.963,115.228
NetQ2_B: Q2.B R13.1 R16.1 | length 37.8
  Top Layer w0.254: R16.1@175.458,81.04 176.601,81.04 176.805,80.837 v1(176.805,80.506) ; R13.1@181.631,83.046 181.631,84.037 v1(181.681,84.088) ; v1(189.682,105.195) 191.374,105.195 Q2.B@191.38,105.202
  Bottom Layer w0.254: v1(176.805,80.506) 180.284,80.506 181.631,81.853 v1@181.631,84.037 ; v1(181.681,84.088) 185.669,88.076 185.669,96.745 185.39,97.024 185.39,102.757 187.828,105.195 v1(189.682,105.195)
NetQ3_B: Q3.B R52.2 R55.2 | length 12.5
  Top Layer w0.254: Q3.B@25.315,171.826 25.315,163.699 ; R55.2@25.319,165.673 25.319,163.703 25.315,163.699 ; R52.2@25.624,161.431 25.315,161.739 25.315,163.699
NetQ4_B: Q4.B R60.2 R63.2 | length 7
  Top Layer w0.254: R60.2@28.164,16.956 28.113,16.905 R63.2@28.113,14.238 28.113,12.511 28.295,12.329 Q4.B@28.295,10.015
NetQ5_B: Q5.B R70.2 R71.2 | length 10.5
  Top Layer w0.254: Q5.B@54.305,172.466 54.305,170.124 55.169,169.261 55.169,164.765 55.672,164.262 R70.2@55.672,162.498
NetQ6_B: Q6.B R75.2 R83.2 | length 11
  Top Layer w0.254: Q6.B@83.303,172.41 83.303,170.833 83.968,170.168 83.968,169.178 83.993,169.152 R83.2@83.993,165.901 83.993,161.685 R75.2@84.018,161.659
NetQ7_B: Q7.B R86.2 R89.2 | length 11.7
  Top Layer w0.254: Q7.B@111.468,172.607 111.252,172.391 111.252,170.9 111.963,170.189 111.963,161.563 R86.2@111.781,161.38
NetQ8_B: Q8.B R94.2 R97.2 | length 10.9
  Top Layer w0.254: Q8.B@139.818,172.867 139.818,169.715 140.233,169.3 140.233,162.366 R94.2@140.406,162.193
NetQ9_B: Q9.B R112.2 R114.2 | length 12.2
  Top Layer w0.254: R114.2@56.231,17.032 56.231,21.832 R112.2@56.383,21.985
  Top Layer w0.508: R114.2@56.231,17.032 56.231,13.838 56.836,13.233 Q9.B@56.836,10.061
NetQ10_B: Q10.B R121.2 R123.2 | length 15.9
  Top Layer w0.254: 84.455,9.939 Q10.B@84.987,9.939 ; 84.455,20.025 84.476,20.004 ; R121.2@84.476,22.163 84.476,20.004 ; R123.2@84.653,17.032 84.653,19.827 84.476,20.004
  Top Layer w0.508: 84.455,9.939 84.455,20.025
NetQ11_B: Q11.B R125.2 R127.2 | length 12.5
  Top Layer w0.254: R125.2@113.051,22.213 113.178,22.086 R127.2@113.178,17.311
  Top Layer w0.508: R127.2@113.178,17.311 113.178,15.813 113.866,15.124 Q11.B@113.866,10.061
NetQ12_B: Q12.B R133.2 R135.2 | length 11
  Top Layer w0.762: Q12.B@141.807,10.193 141.807,14.267 142.515,14.974 R135.2@142.515,16.549 142.438,16.625 R133.2@142.438,20.867
NetR3_1: R3.1 R7.2 U5.23 | length 97
  Top Layer w0.254: v1(80.543,84.226) 80.555,84.214 U5.23@80.555,82.918 ; v1@166.264,84.875 R7.2@167.711,84.875
  Top Layer w0.635: R7.2@167.711,84.875 R3.1@167.711,87.034
  Bottom Layer w0.254: v1(80.543,84.226) 81.28,83.49 117.191,83.49 125.231,91.53 159.634,91.53 v1(166.264,84.901)
NetR5_2: R5.2 R6.1 U1.5 | length 6.9
  Top Layer w0.508: U1.5@150.281,110.018 150.995,110.018 152.395,111.418 R5.2@152.395,113.171
  Top Layer w0.762: R5.2@152.421,113.196 R6.1@154.91,113.196
NetR12_1: R12.1 R15.2 U5.22 | length 143
  Top Layer w0.254: v1(80.055,80.696) U5.22@80.055,82.918 ; v1(193.086,96.164) R15.2@193.086,100.369 R12.1@195.093,100.369
  Bottom Layer w0.254: v1(80.055,80.696) 80.182,80.569 87.41,80.569 89.2,78.779 146.081,78.779 149.18,75.68 191.283,75.68 193.086,77.484 v1(193.086,96.164)
NetR13_2: R13.2 U5.33 | length 110.3
  Top Layer w0.254: U5.33@86.855,84.718 88.561,84.718 v1(89.078,84.201) ; v1(145.283,92.851) 145.283,92.394 146.807,90.87 v1(146.807,83.25) ; v1(178.506,79.16) 180.767,79.16 181.631,80.024 R13.2@181.631,81.014
  Bottom Layer w0.254: v1(89.078,84.201) 89.32,84.443 116.048,84.443 124.455,92.851 v1(145.283,92.851) ; v1(146.807,83.25) 148.712,81.345 169.616,81.345 171.801,79.16 v1(178.506,79.16)
NetR14_2: R14.2 U2.6 | length 2.8
  Top Layer w0.508: R14.2@176.322,90.946 176.322,89.814 176.703,89.433 U2.6@176.703,88.334
NetR17_1: R17.1 U2.5 | length 3.7
  Top Layer w0.508: U2.5@177.653,88.334 177.653,90.946 R17.1@178.71,90.946
NetR18_1: R18.1 R19.2 R21.2 | length 22.6
  Top Layer w0.254: R19.2@169.032,102.985 R19.2@169.134,103.087 ; R18.1@181.051,92.902 R18.1@181.072,92.902 181.097,92.927 R21.2@183.536,92.927
  Top Layer w0.762: R19.2@169.032,102.985 169.032,101.258 170.251,100.039 178.548,100.039 181.051,97.536 R18.1@181.051,92.902
NetR18_2: R18.2 U2.4 | length 5.1
  Top Layer w0.254: v1@178.603,89.322 v1(178.613,89.332)
  Top Layer w0.635: U2.4@178.603,88.334 v1@178.603,89.322 ; R18.2@181.072,90.87 181.072,89.346 v1(181.097,89.32)
  Bottom Layer w0.635: v1(178.613,89.332) 181.086,89.332 v1(181.097,89.32)
NetR22_1: R22.1 U3.12 U5.49 | length 92.9
  Top Layer w0.254: U5.49@85.055,94.018 85.055,93.345 85.573,93.345 v1(85.608,93.38) ; U3.12@146.99,137.688 146.99,137.316 147.868,136.438 150.393,136.438 150.846,135.986 150.846,134.024 R22.1@149.931,133.11 150.617,132.424 150.617,129.946 v1(147.803,129.946)
  Bottom Layer w0.254: v1(85.608,93.38) 105.626,93.38 142.192,129.946 v1(147.803,129.946)
NetR28_2: 
NetR29_1: R29.1 U3.8 | length 5
  Top Layer w0.254: U3.8@144.99,137.688 144.99,136.271 144.45,135.73 144.45,133.918 R29.1@145.182,133.186
NetR29_2: R29.2 U5.61 | length 85.8
  Top Layer w0.254: v1(79.045,92.71) 79.055,92.721 U5.61@79.055,94.018 ; v1(145.085,135.331) 145.085,134.68 R29.2@145.182,134.583
  Bottom Layer w0.254: v1(79.045,92.71) 80.827,94.492 81.868,94.492 83.605,96.229 103.856,96.229 142.958,135.331 v1(145.085,135.331)
NetR30_1: R30.1 U3.7 | length 3.5
  Top Layer w0.254: R30.1@143.607,134.558 143.607,136.342 144.49,137.226 U3.7@144.49,137.688
NetR30_2: R30.2 U5.60 | length 85.5
  Top Layer w0.254: v1@79.116,99.125 79.008,99.017 79.008,97.721 79.555,97.175 U5.60@79.555,94.018 ; v1(136.114,132.449) 136.241,132.576 142.54,132.576 143.124,133.161 R30.2@143.607,133.161
  Bottom Layer w0.254: v1@79.116,99.125 v1(79.075,99.166) 79.075,100.461 85.649,107.036 108.153,107.036 126.956,125.839 126.956,126.989 131.539,131.572 135.236,131.572 v1(136.114,132.449)
NetR31_1: R31.1 U3.11 | length 3.8
  Top Layer w0.254: U3.11@146.49,137.688 146.49,136.888 148.103,135.275 R31.1@148.103,134.532
NetR31_2: R31.2 U5.44 | length 85.6
  Top Layer w0.254: v1(85.55,90.218) U5.44@86.855,90.218 ; v1(148.103,131.784) R31.2@148.103,133.135
  Bottom Layer w0.254: v1(85.55,90.218) 84.861,90.907 84.861,93.968 85.796,94.903 85.796,94.941 104.803,94.941 140.457,130.595 146.913,130.595 v1(148.103,131.784)
NetR32_1: R32.1 U3.10 | length 3.4
  Top Layer w0.254: U3.10@145.99,137.688 145.99,136.42 146.68,135.73 R32.1@146.68,134.532
NetR32_2: R32.2 U5.64 | length 87.4
  Top Layer w0.254: U5.64@77.555,94.018 77.555,96.459 v1(78.283,97.186) ; v1@138.247,131.891 144.978,131.891 145.232,132.145 v1(145.232,132.17) ; R32.2@146.68,133.135 146.68,132.364 v1(146.685,132.359)
  Bottom Layer w0.254: v1(78.283,97.186) 82.976,101.879 105.036,101.879 134.246,131.089 137.472,131.089 138.324,131.941 v1(138.247,131.941) ; v1(145.232,132.17) 145.422,132.359 v1(146.685,132.359)
NetR33-2: 
NetR35_2: R35.2 U3.14 U5.63 | length 110.7
  Top Layer w0.254: v1(78.055,91.261) U5.63@78.055,94.018 ; U3.14@147.79,138.938 148.64,138.938 149.098,138.481 v1(149.098,138.201) ; v1(152.446,132.288) R35.2@152.446,133.059
  Bottom Layer w0.254: v1(78.055,91.261) 80.123,89.193 83.135,89.193 83.618,88.711 86.639,88.711 87.158,89.23 108.465,89.23 144.242,125.007 147.56,125.007 148.723,126.17 148.723,132.362 148.361,132.724 148.361,135.589 ; v1(149.098,138.201) 148.361,137.465 148.361,135.589 ; v1(152.446,132.288) 152.446,132.576 150.922,134.1 149.85,134.1 148.361,135.589
NetR37_2: R37.2 U3.24 | length 12.6
  Top Layer w0.254: U3.24@144.49,141.688 144.49,141.811 143.862,142.439 143.862,143.728 144.177,144.043 v1(145.034,144.043) ; R37.2@152.827,144.311 v1(152.827,145.085)
  Bottom Layer w0.254: v1(145.034,144.043) 146.075,145.085 v1(152.827,145.085)